# KiCad board q2.kicad_pcb (continued)
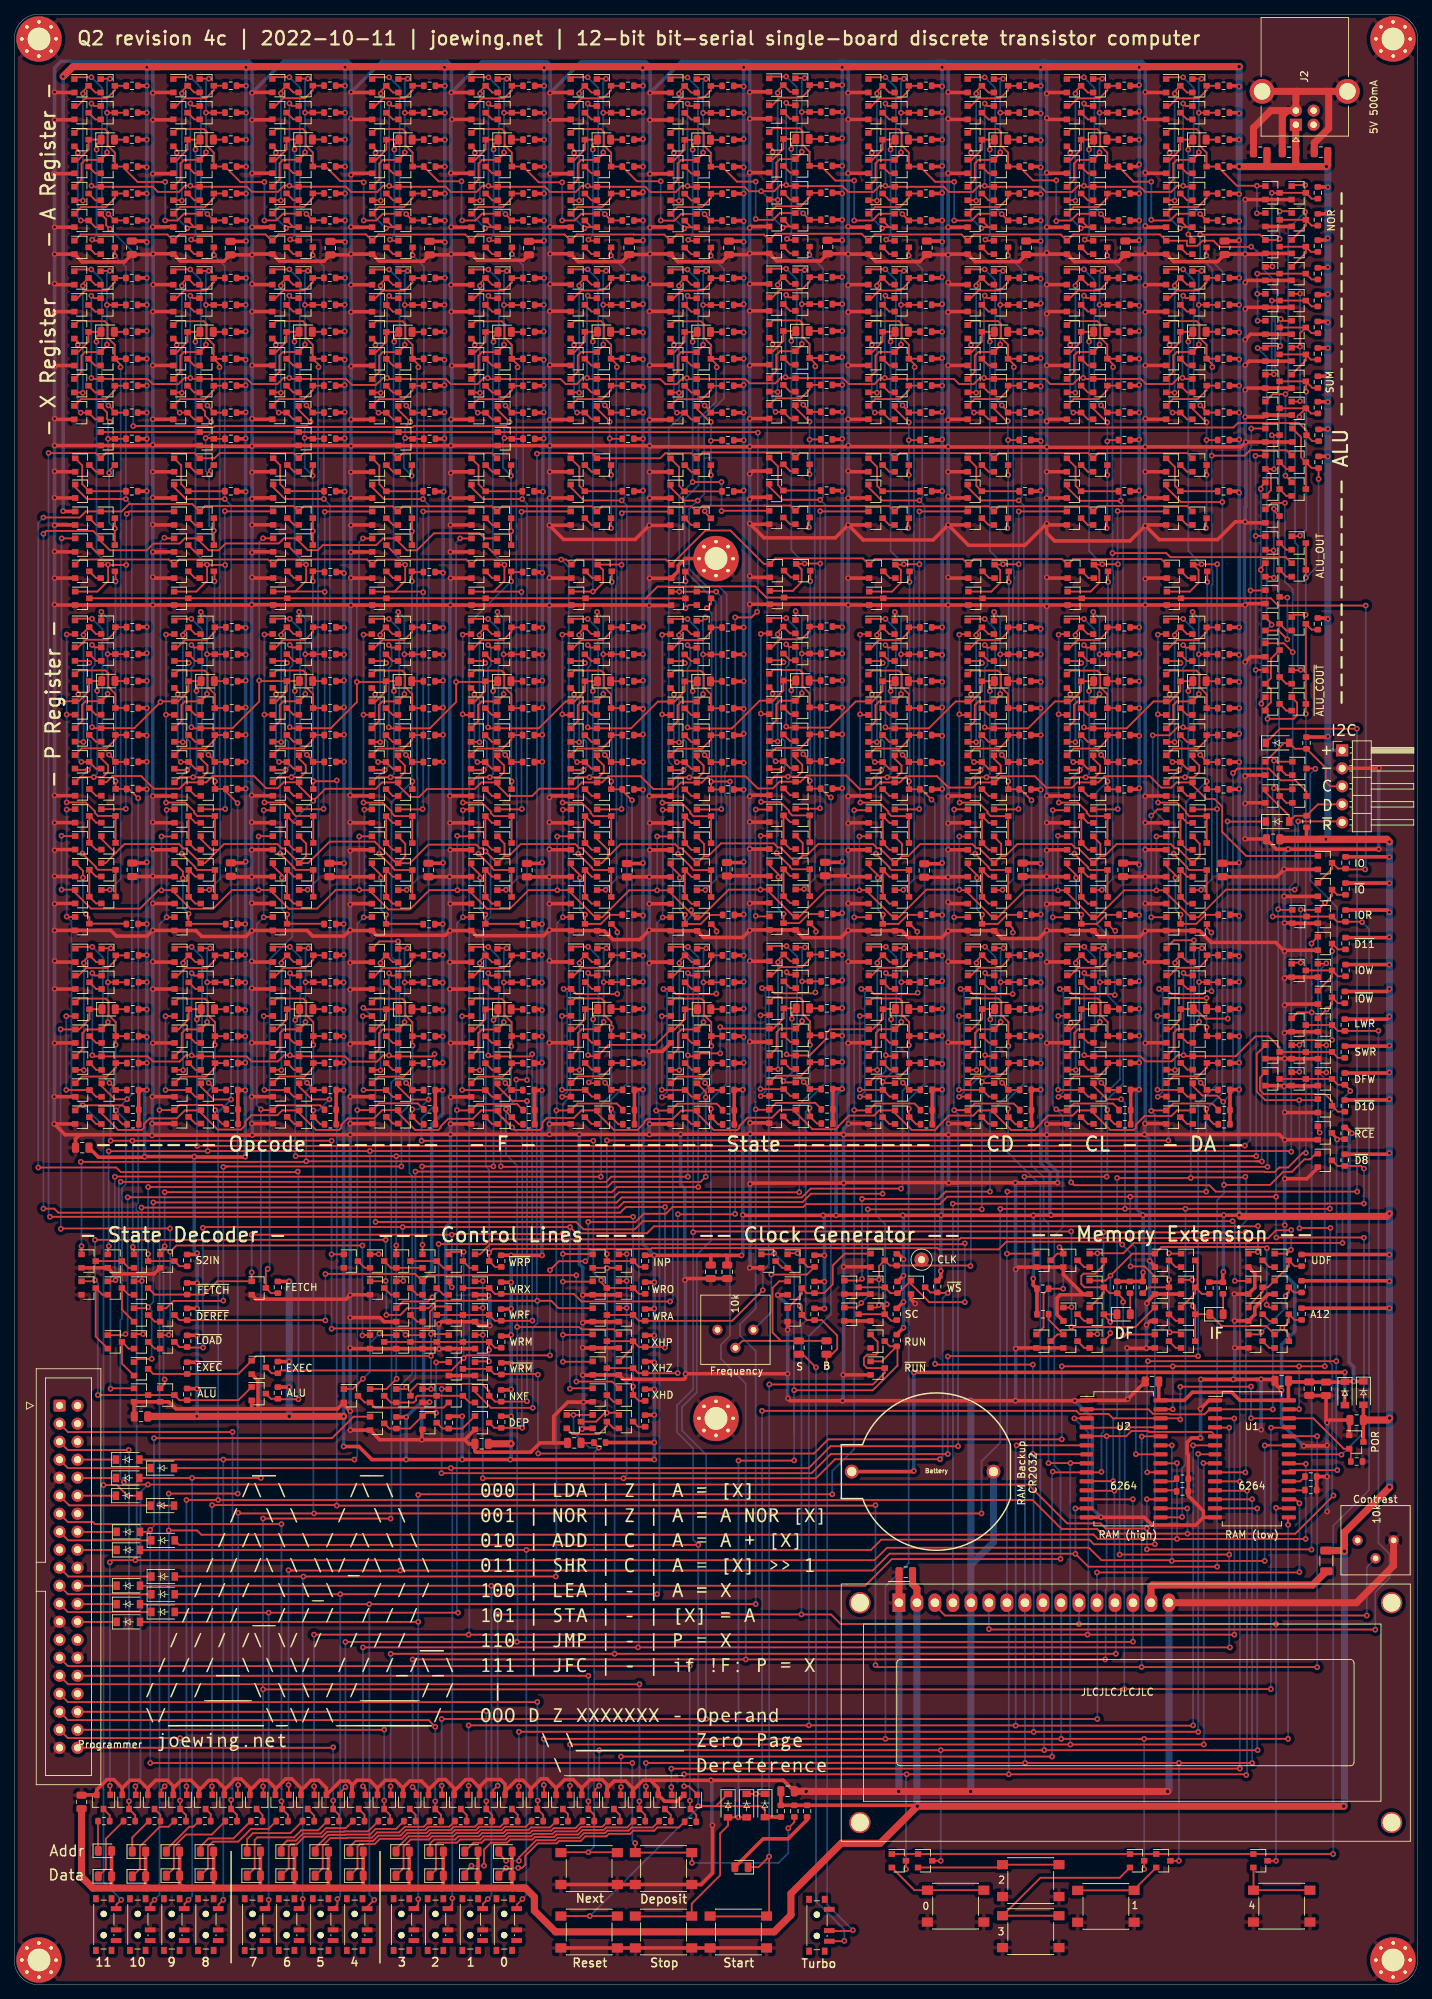
[diagram p0: board, top side]
## Routing (per net, layer and track width the routed paths; a pad name or vN(x,y) marks a point on that pad's centre or on a via; arc(x,y) is an arc through that point) (continued)
  Bottom w1: DS1.2 127.34,25.26 v2(127.4,25.2) ; v2(185.1,256.5) 185.3,256.3 185.3,252.45 ; v2(187.55,25.2) 187.65,25.3 v2(187.65,61.17) ; 185.3,252.45 v1(185.3,250) v1(185.3,246.4) v1(185.3,242.3) v1(185.3,238.5) v1(185.3,234.5) v1(185.3,230.9) v1(185.3,227) v1(185.3,223.3) v1(185.3,219.5) v1(185.3,215.6) v1(185.3,192.7) v1(185.3,176.1) 185.3,161.87 v1(185.02,161.6) ; 185.3,252.45 v1(185.3,253.6) ; v1(38.8,99.21) v1(38.8,87.93) v1(38.8,84.34) v2(38.8,80.2) ; v1(194,161.25) v1(194,159.1) v1(194,155.4) v1(194,151.3) v1(194,147.8) v1(194,143.9) v1(194,140.5) v1(194,136.6) v1(194,132.5) v1(194,128.7) v1(194,124.95) v1(194,117.35) v1(194,108.8) v1(194,103) v1(194,99.25) v1(194,95.45) 194,85.02 194.02,85 v2(194.02,79.95) v2(194.02,70.22) ; v2(172.8,256.5) v1(172.8,260.3) v1(172.8,264) v1(172.8,267.8) v2(172.8,270.6)
/ALU/ALU_CARRY: length 44.9
  Top w0.25: 183.9,221.67 182.93,221.67 Q736.3 ; Q736.3 Q735.3 ; Q736.3 181.3,221.5 v1(181.3,221.2) ; Q738.1 181.43,185.45 v1(181.48,185.5)
  Bottom w0.25: v1(181.3,221.2) 180.67,220.57 180.67,203.42 181.08,203.02 181.08,185.9 v1(181.48,185.5)
/ALU/ALU_NOR: length 59.2
  Top w0.25: v1(182.1,253.9) 180.35,253.9 Q720.1 ; Q728.3 182.2,250 v1(182.1,250.1) ; Q728.3 182.2,248.15 Q732.1 ; Q728.3 Q727.3 ; Q728.3 183.02,248.17 R328.2 ; Q735.1 177.55,224.4 v1(179.32,224.4) ; v1(179.32,212.9) 180.2,212.02 Q741.1
  Bottom w0.25: v1(182.1,253.9) v1(182.1,250.1) 179.72,247.72 179.72,224.8 v1(179.32,224.4) v1(179.32,212.9)
/ALU/ALU_SUM: length 29.1
  Top w0.25: Q726.3 Q725.3 ; Q726.3 183.12,225.27 R327.2 ; Q726.3 182.25,226.15 v1(182.25,224.75) ; v1(181.4,204.45) 181.3,204.35 Q742.1
  Bottom w0.25: v1(182.25,224.75) 182.25,205.3 v1(181.4,204.45)
/ALU/~{ALU_OUT}: length 40
  Top w0.25: Q741.3 Q740.3 ; Q740.3 183.02,213.97 R334.2 v1(184,212.42) ; Q740.3 181.52,215.48 181.52,218.33 Q744.1 ; v1(182.18,193.27) 180.52,193.27 Q737.1 ; Q742.3 182.23,203.37 182.23,199.62 Q743.3 v1(182.2,198.5)
  Bottom w0.25: v1(184,212.42) 184,200.3 v1(182.2,198.5) 182.2,193.3 v1(182.18,193.27)
/Bit 0/AIN: length 29.1
  Top w0.25: Q498.1 149.05,261.8 152.8,261.8 153.2,261.4 153.2,259.47 154.2,258.47 Q493.3 R215.2 157.9,254.37 v1(160.4,254.37) ; Q569.1 164.01,249.85 163.06,248.89 160.51,248.89 v1(160.4,249)
  Bottom w0.25: v1(160.4,249) v1(160.4,254.37)
/Bit 0/AL Register/DFF/~{Q}: length 20.5
  Top w0.25: Q562.1 163.05,257.45 164.5,258.9 Q566.3 D33.1 165.62,259.66 v1(165.62,258.9) ; v1(165.62,246.92) 166.2,246.35 Q558.1
  Bottom w0.25: v1(165.62,246.92) v1(165.62,258.9)
/Bit 0/PL Register/P DFF/CLR: length 41.3
  Top w0.25: Q574.3 Q573.3 165.74,157.27 165.45,157.56 165.45,157.67 v1(163.55,159.56) ; Q592.2 162.68,171.37 v1(164.33,171.37) ; v1(164.53,186.47) 164.25,186.75 Q589.2
  Bottom w0.25: v1(164.53,186.47) 164.17,186.12 164.17,175.9 164.73,175.35 164.73,171.77 v1(164.33,171.37) 163.55,170.6 v1(163.55,159.56)
/Bit 0/PL Register/P DFF/Q: length 12
  Top w0.25: R252.2 Q583.3 168.2,182.07 167.2,183.07 167.2,185 166.8,185.4 163.05,185.4 Q588.1
/Bit 0/PL Register/P DFF/SET: length 37.7
  Top w0.25: Q575.3 Q576.3 165.74,164.87 165.3,165.31 165.3,165.53 164.06,166.77 161.33,166.77 ; Q584.2 161.41,179.15 v1(161.33,179.23) ; v1(161.33,190.47) 161.4,190.55 Q585.2
  Bottom w0.25: 161.33,166.77 v1(161.33,179.23) v1(161.33,190.47)
  vias: v1(161.36,166.78)
/Bit 0/SL Register/CLR: length 34.6
  Top w0.25: v1(161.5,140.5) Q619.2 163.28,139.77 167.7,139.77 168.1,140.17 v1(168.9,140.17) ; v1(161.3,125.27) 161.33,125.3 Q622.2 ; v1(168.88,148.45) 168.25,149.07 Q557.3
  Bottom w0.25: v1(161.5,140.5) 162,140 162,125.95 161.98,125.95 v1(161.3,125.27) ; v1(168.88,148.45) 168.88,140.2 v1(168.9,140.17)
/Bit 0/SOUT: length 12.8
  Top w0.25: R266.2 Q613.3 168.25,135.05 v1(168.2,135.1) ; Q618.1 163.15,139.2 v1(168.2,139.2)
  Bottom w0.25: v1(168.2,135.1) v1(168.2,139.2)
/Bit 0/XL Register/XL DFF/D: length 22.6
  Top w0.25: v1(168.2,213) Q595.3 ; v1(168.2,220.42) 168.14,220.42 166.2,222.36 Q610.1 ; Q594.3 168.1,206.8 v1(168.1,205.5) ; R257.2 168.21,217.92 v1(168.2,217.93)
  Bottom w0.25: v1(168.1,205.5) 168.2,205.6 v1(168.2,213) v1(168.2,217.93) v1(168.2,220.42)
/Bit 0/~{P}: length 54.4
  Top w0.25: v1(150.9,189) 151.25,188.65 Q518.1 ; v1(150.9,177.4) 151.05,177.25 Q519.1 156.92,177.25 160.72,181.05 Q584.1 163.05,181.05 164.5,182.5 Q588.3 D34.1 165.62,183.26 v1(165.62,182.51) ; Q591.1 166.2,172.99 167.17,172.02 167.17,171.08 166.43,170.35 v1(165.15,170.35) 163.25,170.35 Q572.1
  Bottom w0.25: v1(150.9,189) 151.3,188.6 151.3,186.17 150.9,185.77 v1(150.9,177.4) ; v1(165.15,170.35) 165.62,170.82 v1(165.62,182.51)
/Bit 0/~{XIN}: length 103.3
  Top w0.25: Q535.1 149.05,230.35 150.5,231.8 Q539.3 D31.1 151.62,232.56 v1(151.62,231.81) ; Q531.1 151.84,196.55 153.08,197.79 153.08,199.57 Q525.1 153.45,200.35 v1(153.5,200.4) v1(155.7,200.4) ; v1(155.68,165.87) 155.63,165.82 Q508.1 ; Q597.1 155.7,207.85 v1(155.65,207.9)
  Bottom w0.25: v1(151.62,231.81) 151.62,202.27 v1(153.5,200.4) ; v1(155.68,165.87) 155.68,200.38 v1(155.7,200.4) 155.65,200.45 v1(155.65,207.9)
/Bit 1/AIN: length 29.4
  Top w0.25: Q767.1 135.05,261.8 138.8,261.8 139.2,261.4 139.2,259.47 140.2,258.47 Q762.3 R340.2 143.73,254.55 v1(147,254.55) ; Q501.1 150.01,249.85 149.06,248.89 147.09,248.89 v1(147,248.8)
  Bottom w0.25: v1(147,248.8) v1(147,254.55)
/Bit 1/AL Register/DFF/~{Q}: length 21.6
  Top w0.25: Q494.1 149.05,257.45 150.5,258.9 Q498.3 D29.1 151.62,259.66 v1(151.62,258.9) ; v1(151,246.2) 151.15,246.05 Q490.1
  Bottom w0.25: v1(151.62,258.9) 151.62,246.82 v1(151,246.2)
/Bit 1/PL Register/P DFF/CLR: length 41.3
  Top w0.25: Q506.3 Q505.3 151.74,157.27 151.45,157.56 151.45,157.67 v1(149.55,159.56) ; Q524.2 148.68,171.37 v1(150.33,171.37) ; v1(150.53,186.47) 150.25,186.75 Q521.2
  Bottom w0.25: v1(150.53,186.47) 150.17,186.12 150.17,175.9 150.73,175.35 150.73,171.77 v1(150.33,171.37) 149.55,170.6 v1(149.55,159.56)
/Bit 1/PL Register/P DFF/Q: length 12
  Top w0.25: R222.2 Q515.3 154.2,182.07 153.2,183.07 153.2,185 152.8,185.4 149.05,185.4 Q520.1
/Bit 1/PL Register/P DFF/SET: length 37.7
  Top w0.25: Q507.3 Q508.3 151.74,164.87 151.3,165.31 151.3,165.53 150.06,166.77 147.33,166.77 ; Q516.2 147.41,179.15 v1(147.33,179.23) ; v1(147.33,190.47) 147.4,190.55 Q517.2
  Bottom w0.25: 147.33,166.77 v1(147.33,179.23) v1(147.33,190.47)
  vias: v1(147.36,166.78)
/Bit 1/SL Register/CLR: length 35.7
  Top w0.25: v1(147.5,140.5) Q551.2 149.28,139.77 155.1,139.77 v1(155.25,139.62) ; v1(147.3,125.27) 147.33,125.3 Q554.2 ; v1(155.32,148.7) 155.2,148.7 Q489.3
  Bottom w0.25: v1(147.5,140.5) 148,140 148,125.95 147.98,125.95 v1(147.3,125.27) ; v1(155.25,139.62) 155.25,148.62 v1(155.32,148.7)
/Bit 1/SOUT: length 12
  Top w0.25: R236.2 Q545.3 154.25,135.82 153.25,136.82 153.25,138.75 152.85,139.15 149.1,139.15 Q550.1
/Bit 1/XL Register/XL DFF/D: length 22.6
  Top w0.25: v1(154.2,213) Q527.3 ; v1(154.2,220.42) 154.14,220.42 152.2,222.36 Q542.1 ; Q526.3 154.1,206.8 v1(154.1,205.5) ; v1(154.2,217.74) 154.38,217.92 R227.2
  Bottom w0.25: v1(154.1,205.5) 154.2,205.6 v1(154.2,213) v1(154.2,217.74) v1(154.2,220.42)
/Bit 1/~{P}: length 54.4
  Top w0.25: v1(136.9,189) 137.25,188.65 Q787.1 ; v1(136.9,177.4) 137.05,177.25 Q788.1 143.02,177.25 146.82,181.05 Q516.1 149.05,181.05 150.5,182.5 Q520.3 D30.1 151.62,183.26 v1(151.62,182.51) ; Q523.1 152.2,172.99 153.17,172.02 153.17,171.08 152.43,170.35 v1(151.15,170.35) 149.25,170.35 Q504.1
  Bottom w0.25: v1(136.9,189) 137.3,188.6 137.3,186.17 136.9,185.77 v1(136.9,177.4) ; v1(151.15,170.35) 151.62,170.82 v1(151.62,182.51)
/Bit 1/~{XIN}: length 103.2
  Top w0.25: Q804.1 135.05,230.35 136.5,231.8 Q808.3 D57.1 137.62,232.56 v1(137.62,231.81) ; Q800.1 137.84,196.55 139.08,197.79 139.08,199.57 Q794.1 139.45,200.35 v1(139.5,200.4) v1(141.7,200.4) ; v1(141.68,165.87) 141.63,165.82 Q777.1 ; v1(141.7,207.85) Q529.1
  Bottom w0.25: v1(137.62,231.81) 137.62,202.27 v1(139.5,200.4) ; v1(141.68,165.87) 141.68,200.38 v1(141.7,200.4) v1(141.7,207.85)
/Bit 2/AIN: length 29.2
  Top w0.25: Q430.1 121.05,261.8 124.8,261.8 125.2,261.4 125.2,259.47 126.2,258.47 Q425.3 R185.2 129.92,254.36 v1(132.6,254.36) ; Q770.1 136.01,249.85 135.06,248.89 132.61,248.89 v1(132.6,248.9)
  Bottom w0.25: v1(132.6,248.9) v1(132.6,254.36)
/Bit 2/AL Register/DFF/~{Q}: length 21.6
  Top w0.25: Q763.1 135.05,257.45 136.5,258.9 Q767.3 D55.1 137.62,259.66 v1(137.62,258.9) ; v1(137,246.2) 137.15,246.05 Q759.1
  Bottom w0.25: v1(137.62,258.9) 137.62,246.82 v1(137,246.2)
/Bit 2/PL Register/P DFF/CLR: length 41.3
  Top w0.25: Q775.3 Q774.3 137.74,157.27 137.45,157.56 137.45,157.67 v1(135.55,159.56) ; Q793.2 134.68,171.37 v1(136.33,171.37) ; v1(136.53,186.47) 136.25,186.75 Q790.2
  Bottom w0.25: v1(136.53,186.47) 136.17,186.12 136.17,175.9 136.73,175.35 136.73,171.77 v1(136.33,171.37) 135.55,170.6 v1(135.55,159.56)
/Bit 2/PL Register/P DFF/Q: length 12
  Top w0.25: R347.2 Q784.3 140.2,182.07 139.2,183.07 139.2,185 138.8,185.4 135.05,185.4 Q789.1
/Bit 2/PL Register/P DFF/SET: length 37.7
  Top w0.25: Q776.3 Q777.3 137.74,164.87 137.3,165.31 137.3,165.53 136.06,166.77 133.33,166.77 ; Q785.2 133.41,179.15 v1(133.33,179.23) ; v1(133.33,190.47) 133.4,190.55 Q786.2
  Bottom w0.25: 133.33,166.77 v1(133.33,179.23) v1(133.33,190.47)
  vias: v1(133.36,166.78)
/Bit 2/SL Register/CLR: length 34.8
  Top w0.25: v1(133.5,140.5) Q820.2 135.28,139.77 v1(140.85,139.77) ; v1(133.3,125.27) 133.33,125.3 Q823.2 ; v1(140.88,148.45) 140.88,149.02 Q758.3
  Bottom w0.25: v1(133.5,140.5) 134,140 134,125.95 133.98,125.95 v1(133.3,125.27) ; v1(140.85,139.77) 140.85,148.42 v1(140.88,148.45)
/Bit 2/XL Register/XL DFF/D: length 22.7
  Top w0.25: v1(140.2,213) Q796.3 ; Q795.3 140.1,206.8 v1(140.1,205.5) ; v1(140.17,220.61) 139.95,220.61 138.2,222.36 Q811.1 ; v1(140.2,217.93) 140.21,217.92 R352.2
  Bottom w0.25: v1(140.1,205.5) 140.2,205.6 v1(140.2,213) v1(140.2,217.93) 140.17,217.96 v1(140.17,220.61)
/Bit 2/XOUT: length 89.3
  Top w0.25: R355.2 Q803.3 ; Q803.3 140.2,231.37 139.2,232.37 139.2,234.3 138.8,234.7 135.05,234.7 Q808.1 ; Q803.3 141.02,228.58 v1(141.02,228.21) ; v1(139.43,154.47) 139.38,154.42 Q775.1
  Bottom w0.25: v1(139.43,154.47) 140.95,156 140.95,170.12 140.89,170.18 140.89,197.42 141.03,197.55 141.03,199.47 140.93,199.57 140.93,228.12 v1(141.02,228.21)
/Bit 2/~{P}: length 54.4
  Top w0.25: v1(122.9,189) 123.25,188.65 Q450.1 ; v1(122.9,177.4) 123.05,177.25 Q451.1 129.02,177.25 132.82,181.05 Q785.1 135.05,181.05 136.5,182.5 Q789.3 D56.1 137.62,183.26 v1(137.62,182.51) ; Q792.1 138.2,172.99 139.17,172.02 139.17,171.08 138.43,170.35 v1(137.15,170.35) 135.25,170.35 Q773.1
  Bottom w0.25: v1(122.9,189) 123.3,188.6 123.3,186.17 122.9,185.77 v1(122.9,177.4) ; v1(137.15,170.35) 137.62,170.82 v1(137.62,182.51)
/Bit 2/~{XIN}: length 103.2
  Top w0.25: Q467.1 121.05,230.35 122.5,231.8 Q471.3 D27.1 123.62,232.56 v1(123.62,231.81) ; Q463.1 123.84,196.55 125.08,197.79 125.08,199.57 Q457.1 125.45,200.35 v1(125.5,200.4) v1(127.7,200.4) ; v1(127.68,165.87) 127.63,165.82 Q440.1 ; v1(127.7,207.85) Q798.1
  Bottom w0.25: v1(123.62,231.81) 123.62,202.27 v1(125.5,200.4) ; v1(127.68,165.87) 127.68,200.38 v1(127.7,200.4) v1(127.7,207.85)
/Bit 3/AIN: length 29.3
  Top w0.25: Q362.1 107.05,261.9 110.8,261.9 111.2,261.5 111.2,259.57 112.2,258.57 Q357.3 R155.2 115.84,254.53 v1(118.5,254.53) ; Q433.1 122.01,249.85 121.06,248.89 118.51,248.89 v1(118.5,248.9)
  Bottom w0.25: v1(118.5,248.9) v1(118.5,254.53)
/Bit 3/AL Register/DFF/~{Q}: length 21.6
  Top w0.25: Q426.1 121.05,257.45 122.5,258.9 Q430.3 D25.1 123.62,259.66 v1(123.62,258.9) ; v1(123,246.2) 123.15,246.05 Q422.1
  Bottom w0.25: v1(123.62,258.9) 123.62,246.82 v1(123,246.2)
/Bit 3/PL Register/P DFF/CLR: length 41.3
  Top w0.25: Q438.3 Q437.3 123.74,157.27 123.45,157.56 123.45,157.67 v1(121.55,159.56) ; Q456.2 120.68,171.37 v1(122.33,171.37) ; v1(122.53,186.47) 122.25,186.75 Q453.2
  Bottom w0.25: v1(122.53,186.47) 122.17,186.12 122.17,175.9 122.73,175.35 122.73,171.77 v1(122.33,171.37) 121.55,170.6 v1(121.55,159.56)
/Bit 3/PL Register/P DFF/Q: length 12
  Top w0.25: R192.2 Q447.3 126.2,182.07 125.2,183.07 125.2,185 124.8,185.4 121.05,185.4 Q452.1
/Bit 3/PL Register/P DFF/SET: length 37.7
  Top w0.25: Q439.3 Q440.3 123.74,164.87 123.3,165.31 123.3,165.53 122.06,166.77 119.33,166.77 ; Q448.2 119.41,179.15 v1(119.33,179.23) ; v1(119.33,190.47) 119.4,190.55 Q449.2
  Bottom w0.25: 119.33,166.77 v1(119.33,179.23) v1(119.33,190.47)
  vias: v1(119.36,166.78)
/Bit 3/SL Register/CLR: length 35.6
  Top w0.25: v1(119.5,140.5) Q483.2 121.28,139.77 127.27,139.77 v1(127.45,139.95) ; v1(119.3,125.27) 119.33,125.3 Q486.2 ; Q421.3 126.33,149.65 v1(127.4,148.57)
  Bottom w0.25: v1(119.5,140.5) 120,140 120,125.95 119.98,125.95 v1(119.3,125.27) ; v1(127.4,148.57) 127.4,140 v1(127.45,139.95)
/Bit 3/XL Register/XL DFF/D: length 22.6
  Top w0.25: v1(126.2,213) Q459.3 ; v1(126.2,220.42) 126.14,220.42 124.2,222.36 Q474.1 ; Q458.3 126.1,206.8 v1(126.1,205.5) ; R197.2 126.21,217.92 v1(126.2,217.91)
  Bottom w0.25: v1(126.1,205.5) 126.2,205.6 v1(126.2,213) v1(126.2,217.91) v1(126.2,220.42)
/Bit 3/XOUT: length 89.3
  Top w0.25: R200.2 Q466.3 ; Q466.3 126.2,231.37 125.2,232.37 125.2,234.3 124.8,234.7 121.05,234.7 Q471.1 ; Q466.3 127.02,228.58 v1(127.02,228.21) ; v1(125.43,154.47) 125.38,154.42 Q438.1
  Bottom w0.25: v1(125.43,154.47) 126.95,156 126.95,170.12 126.89,170.18 126.89,197.42 127.03,197.55 127.03,199.47 126.93,199.57 126.93,228.12 v1(127.02,228.21)
/Bit 3/~{P}: length 54.4
  Top w0.25: v1(108.9,189.1) 109.25,188.75 Q382.1 ; v1(108.9,177.5) 109.05,177.35 Q383.1 115.02,177.35 118.72,181.05 Q448.1 121.05,181.05 122.5,182.5 Q452.3 D26.1 123.62,183.26 v1(123.62,182.51) ; Q455.1 124.2,172.99 125.17,172.02 125.17,171.08 124.43,170.35 v1(123.15,170.35) 121.25,170.35 Q436.1
  Bottom w0.25: v1(108.9,189.1) 109.3,188.7 109.3,186.27 108.9,185.87 v1(108.9,177.5) ; v1(123.15,170.35) 123.62,170.82 v1(123.62,182.51)
/Bit 3/~{XIN}: length 103.1
  Top w0.25: Q399.1 107.05,230.45 108.5,231.9 Q403.3 D23.1 109.62,232.66 v1(109.62,231.91) ; Q395.1 109.84,196.65 111.08,197.89 111.08,199.67 Q389.1 111.45,200.45 v1(111.5,200.5) v1(113.7,200.5) ; v1(113.68,165.97) 113.63,165.92 Q372.1 ; v1(113.7,207.9) 113.75,207.85 Q461.1
  Bottom w0.25: v1(109.62,231.91) 109.62,202.37 v1(111.5,200.5) ; v1(113.68,165.97) 113.68,200.48 v1(113.7,200.5) v1(113.7,207.9)
/Bit 4/AIN: length 28.9
  Top w0.25: Q845.1 93.13,261.78 96.88,261.78 97.28,261.38 97.28,259.45 98.28,258.45 Q840.3 R373.2 101.95,254.38 v1(104.6,254.38) ; Q365.1 108.01,249.95 107.06,248.99 104.71,248.99 v1(104.6,249.1)
  Bottom w0.25: v1(104.6,249.1) v1(104.6,254.38)
/Bit 4/AL Register/DFF/~{Q}: length 21.6
  Top w0.25: Q358.1 107.05,257.55 108.5,259 Q362.3 D21.1 109.62,259.76 v1(109.62,259) ; v1(109,246.3) 109.15,246.15 Q354.1
  Bottom w0.25: v1(109.62,259) 109.62,246.92 v1(109,246.3)
/Bit 4/PL Register/P DFF/CLR: length 41.3
  Top w0.25: Q370.3 Q369.3 109.74,157.37 109.45,157.66 109.45,157.77 v1(107.55,159.66) ; Q388.2 106.68,171.47 v1(108.33,171.47) ; v1(108.53,186.57) 108.25,186.85 Q385.2
  Bottom w0.25: v1(108.53,186.57) 108.17,186.22 108.17,176 108.73,175.45 108.73,171.87 v1(108.33,171.47) 107.55,170.7 v1(107.55,159.66)
/Bit 4/PL Register/P DFF/Q: length 12
  Top w0.25: R162.2 Q379.3 112.2,182.17 111.2,183.17 111.2,185.1 110.8,185.5 107.05,185.5 Q384.1
/Bit 4/PL Register/P DFF/SET: length 37.7
  Top w0.25: Q371.3 Q372.3 109.74,164.97 109.3,165.41 109.3,165.63 108.06,166.87 105.33,166.87 ; Q380.2 105.41,179.25 v1(105.33,179.33) ; v1(105.33,190.57) 105.4,190.65 Q381.2
  Bottom w0.25: 105.33,166.87 v1(105.33,179.33) v1(105.33,190.57)
  vias: v1(105.36,166.88)
/Bit 4/SL Register/CLR: length 35
  Top w0.25: v1(105.5,140.6) Q415.2 107.28,139.87 112.9,139.87 v1(113.02,140) ; v1(105.3,125.37) 105.33,125.4 Q418.2 ; v1(113.1,148.57) 113.1,148.9 Q353.3
  Bottom w0.25: v1(105.5,140.6) 106,140.1 106,126.05 105.98,126.05 v1(105.3,125.37) ; v1(113.02,140) 113.02,148.5 v1(113.1,148.57)
/Bit 4/XL Register/XL DFF/D: length 22.6
  Top w0.25: v1(112.2,213.1) Q391.3 ; v1(112.2,220.52) 112.14,220.52 110.2,222.46 Q406.1 ; Q390.3 112.1,206.9 v1(112.1,205.6) ; R167.2 112.24,218.02 v1(112.2,217.98)
  Bottom w0.25: v1(112.1,205.6) 112.2,205.7 v1(112.2,213.1) v1(112.2,217.98) v1(112.2,220.52)
/Bit 4/XOUT: length 89.3
  Top w0.25: R170.2 Q398.3 ; Q398.3 112.2,231.47 111.2,232.47 111.2,234.4 110.8,234.8 107.05,234.8 Q403.1 ; Q398.3 113.02,228.68 v1(113.02,228.31) ; v1(111.43,154.57) 111.38,154.52 Q370.1
  Bottom w0.25: v1(111.43,154.57) 112.95,156.1 112.95,170.22 112.89,170.28 112.89,197.52 113.03,197.65 113.03,199.57 112.93,199.67 112.93,228.22 v1(113.02,228.31)
/Bit 4/~{P}: length 54.4
  Top w0.25: v1(94.98,188.98) 95.33,188.63 Q865.1 ; v1(94.98,177.38) 95.13,177.23 Q866.1 101.24,177.23 105.16,181.15 Q380.1 107.05,181.15 108.5,182.6 Q384.3 D22.1 109.62,183.36 v1(109.62,182.61) ; Q387.1 110.2,173.09 111.17,172.12 111.17,171.18 110.43,170.45 v1(109.15,170.45) 107.25,170.45 Q368.1
  Bottom w0.25: v1(94.98,188.98) 95.38,188.58 95.38,186.15 94.98,185.75 v1(94.98,177.38) ; v1(109.15,170.45) 109.62,170.92 v1(109.62,182.61)
/Bit 4/~{XIN}: length 99.2
  Top w0.25: Q882.1 93.13,230.33 94.58,231.78 Q886.3 D63.1 95.7,232.54 v1(95.7,231.79) ; v1(99.76,165.85) 99.71,165.8 Q855.1 ; v1(99.02,196.54) 96.31,196.54 Q872.1 96.28,196.53 v1(93.83,196.53) Q878.1 ; Q393.1 99.83,207.95 v1(99.78,207.9) ; v1(99.78,212) 95.71,212 v1(95.7,212)
  Bottom w0.25: v1(99.78,207.9) v1(99.78,212) ; v1(99.02,196.54) 99.76,195.8 v1(99.76,165.85) ; v1(95.7,231.79) v1(95.7,212) 93.83,210.13 v1(93.83,196.53)
/Bit 5/AIN: length 29.3
  Top w0.25: Q913.1 79.05,261.8 82.8,261.8 83.2,261.4 83.2,259.47 84.2,258.47 Q908.3 R403.2 87.84,254.43 v1(91.2,254.43) ; Q848.1 94.09,249.83 93.14,248.87 91.23,248.87 v1(91.2,248.9)
  Bottom w0.25: v1(91.2,248.9) v1(91.2,254.43)
/Bit 5/AL Register/DFF/~{Q}: length 21.6
  Top w0.25: Q841.1 93.13,257.43 94.58,258.88 Q845.3 D61.1 95.7,259.64 v1(95.7,258.88) ; v1(95.08,246.18) 95.23,246.03 Q837.1
  Bottom w0.25: v1(95.7,258.88) 95.7,246.8 v1(95.08,246.18)
/Bit 5/PL Register/P DFF/CLR: length 41.3
  Top w0.25: Q853.3 Q852.3 95.82,157.25 95.53,157.54 95.53,157.65 v1(93.63,159.54) ; Q871.2 92.76,171.35 v1(94.41,171.35) ; v1(94.61,186.45) 94.33,186.73 Q868.2
  Bottom w0.25: v1(94.61,186.45) 94.25,186.1 94.25,175.88 94.81,175.33 94.81,171.75 v1(94.41,171.35) 93.63,170.58 v1(93.63,159.54)
/Bit 5/PL Register/P DFF/Q: length 12
  Top w0.25: R380.2 Q862.3 98.28,182.05 97.28,183.05 97.28,184.98 96.88,185.38 93.13,185.38 Q867.1
/Bit 5/PL Register/P DFF/SET: length 37.7
  Top w0.25: Q854.3 Q855.3 95.82,164.85 95.38,165.29 95.38,165.51 94.14,166.75 91.41,166.75 ; Q863.2 91.49,179.13 v1(91.41,179.21) ; v1(91.41,190.45) 91.48,190.53 Q864.2
  Bottom w0.25: 91.41,166.75 v1(91.41,179.21) v1(91.41,190.45)
  vias: v1(91.44,166.76)
/Bit 5/SL Register/CLR: length 34.9
  Top w0.25: v1(91.58,140.48) Q898.2 93.36,139.75 98.98,139.75 v1(99.05,139.82) ; v1(91.38,125.25) 91.41,125.28 Q901.2 ; v1(99.08,148.6) 99.08,148.88 Q836.3
  Bottom w0.25: v1(91.58,140.48) 92.08,139.98 92.08,125.93 92.06,125.93 v1(91.38,125.25) ; v1(99.08,148.6) 99.05,148.57 v1(99.05,139.82)
/Bit 5/XL Register/XL DFF/D: length 22.8
  Top w0.25: v1(98.28,212.98) Q874.3 ; v1(98.28,220.48) 98.14,220.48 97.41,221.22 ; R385.2 98.36,217.9 v1(98.28,217.82) ; 97.41,221.22 98.26,220.36 98.28,220.36 ; 97.41,221.22 96.28,222.34 Q889.1 ; Q873.3 97.4,207.76 v1(97.4,207.9)
  Bottom w0.25: 98.28,219.28 v1(98.28,220.48) ; 98.28,219.28 98.28,220.36 ; 98.28,219.28 v1(98.28,212.98) 98.28,208.78 v1(97.4,207.9)
/Bit 5/XOUT: length 92.8
  Top w0.25: R388.2 Q881.3 ; Q881.3 98.28,231.35 97.28,232.35 97.28,234.28 96.88,234.68 93.13,234.68 Q886.1 ; Q881.3 99.1,228.56 v1(99.1,228.19) ; v1(97.51,154.45) 97.46,154.4 Q853.1
  Bottom w0.25: v1(97.51,154.45) 99.03,155.98 99.03,170.1 98.97,170.16 98.97,195.13 94.55,199.55 94.55,209.6 96.52,211.57 96.52,220.85 99.01,223.33 99.01,228.1 v1(99.1,228.19)
/Bit 5/~{P}: length 54.5
  Top w0.25: v1(80.9,189) 81.25,188.65 Q933.1 ; v1(80.9,177.4) 81.05,177.25 Q934.1 87.02,177.25 90.8,181.03 Q863.1 93.13,181.03 94.58,182.48 Q867.3 D62.1 95.7,183.24 v1(95.7,182.49) ; Q870.1 96.28,172.97 97.25,172 97.25,171.06 96.51,170.33 v1(95.23,170.33) 93.33,170.33 Q851.1
  Bottom w0.25: v1(80.9,189) 81.3,188.6 81.3,186.17 80.9,185.77 v1(80.9,177.4) ; v1(95.23,170.33) 95.7,170.8 v1(95.7,182.49)
/Bit 5/~{XIN}: length 106.2
  Top w0.25: Q950.1 79.05,230.35 80.5,231.8 Q954.3 D67.1 81.62,232.56 v1(81.62,231.81) ; v1(85.68,165.87) 85.63,165.82 Q923.1 ; v1(85.68,200.32) 85.65,200.35 Q940.1 83.08,199.57 83.08,197.79 81.84,196.55 v1(81.65,196.55) Q946.1 ; Q876.1 85.93,207.83 v1(85.7,207.6)
  Bottom w0.25: v1(81.65,196.55) 81.62,196.57 v1(81.62,231.81) ; v1(85.7,207.6) 85.7,200.35 ; 85.7,200.35 v1(85.68,200.32) 85.7,200.35 ; v1(85.68,165.87) 85.68,200.38
/Bit 6/AIN: length 29.1
  Top w0.25: Q291.1 65.05,261.8 68.8,261.8 69.2,261.4 69.2,259.47 70.2,258.47 Q286.3 R125.2 73.99,254.28 v1(77.3,254.28) ; Q916.1 80.01,249.85 79.06,248.89 77.31,248.89 v1(77.3,248.9)
  Bottom w0.25: v1(77.3,248.9) v1(77.3,254.28)
/Bit 6/AL Register/DFF/~{Q}: length 21.6
  Top w0.25: Q909.1 79.05,257.45 80.5,258.9 Q913.3 D65.1 81.62,259.66 v1(81.62,258.9) ; v1(81,246.2) 81.15,246.05 Q905.1
  Bottom w0.25: v1(81.62,258.9) 81.62,246.82 v1(81,246.2)
/Bit 6/PL Register/P DFF/CLR: length 41.3
  Top w0.25: Q921.3 Q920.3 81.74,157.27 81.45,157.56 81.45,157.67 v1(79.55,159.56) ; Q939.2 78.68,171.37 v1(80.33,171.37) ; v1(80.53,186.47) 80.25,186.75 Q936.2
  Bottom w0.25: v1(80.53,186.47) 80.17,186.12 80.17,175.9 80.73,175.35 80.73,171.77 v1(80.33,171.37) 79.55,170.6 v1(79.55,159.56)
/Bit 6/PL Register/P DFF/Q: length 12
  Top w0.25: R410.2 Q930.3 84.2,182.07 83.2,183.07 83.2,185 82.8,185.4 79.05,185.4 Q935.1
/Bit 6/PL Register/P DFF/SET: length 37.7
  Top w0.25: Q922.3 Q923.3 81.74,164.87 81.3,165.31 81.3,165.53 80.06,166.77 77.33,166.77 ; Q931.2 77.41,179.15 v1(77.33,179.23) ; v1(77.33,190.47) 77.4,190.55 Q932.2
  Bottom w0.25: v1(77.33,190.47) v1(77.33,179.23) 77.33,166.77
  vias: v1(77.36,166.78)
/Bit 6/SL Register/CLR: length 35.1
  Top w0.25: v1(85.08,139.8) 85.05,139.77 79.28,139.77 Q966.2 v1(77.5,140.5) ; Q969.2 77.33,125.3 v1(77.3,125.27) ; Q904.3 85.08,148.82 v1(85.08,148.47)
  Bottom w0.25: v1(77.5,140.5) 78,140 78,125.95 77.98,125.95 v1(77.3,125.27) ; v1(85.08,139.8) v1(85.08,148.47)
/Bit 6/XL Register/XL DFF/D: length 22.7
  Top w0.25: Q957.1 82.2,222.36 84,220.56 v1(84,220.5) ; v1(84,218.15) 84.05,218.1 R415.2 ; v1(84.2,205.5) Q941.3 ; v1(84.2,213) Q942.3
  Bottom w0.25: v1(84.2,205.5) v1(84.2,213) 84,213.2 v1(84,218.15) v1(84,220.5)
/Bit 6/XOUT: length 89.3
  Top w0.25: R418.2 Q949.3 ; Q949.3 84.2,231.37 83.2,232.37 83.2,234.3 82.8,234.7 79.05,234.7 Q954.1 ; Q949.3 85.02,228.58 v1(85.02,228.21) ; v1(83.43,154.47) 83.38,154.42 Q921.1
  Bottom w0.25: v1(83.43,154.47) 84.95,156 84.95,170.12 84.89,170.18 84.89,197.42 85.03,197.55 85.03,199.47 84.93,199.57 84.93,228.12 v1(85.02,228.21)
/Bit 6/~{P}: length 54.5
  Top w0.25: v1(66.84,189) 67.19,188.65 Q333.1 ; v1(66.84,177.4) 66.99,177.25 Q334.1 74,177.25 77.8,181.05 Q931.1 79.05,181.05 80.5,182.5 Q935.3 D66.1 81.62,183.26 v1(81.62,182.51) ; Q938.1 82.2,172.99 83.17,172.02 83.17,171.08 82.43,170.35 v1(81.15,170.35) 79.25,170.35 Q919.1
  Bottom w0.25: v1(66.84,189) 67.24,188.6 67.24,186.17 66.84,185.77 v1(66.84,177.4) ; v1(81.15,170.35) 81.62,170.82 v1(81.62,182.51)
